# Altium PCB Tiny817_Xplained_Pro.PcbDoc (part 1 of 3) (continued)
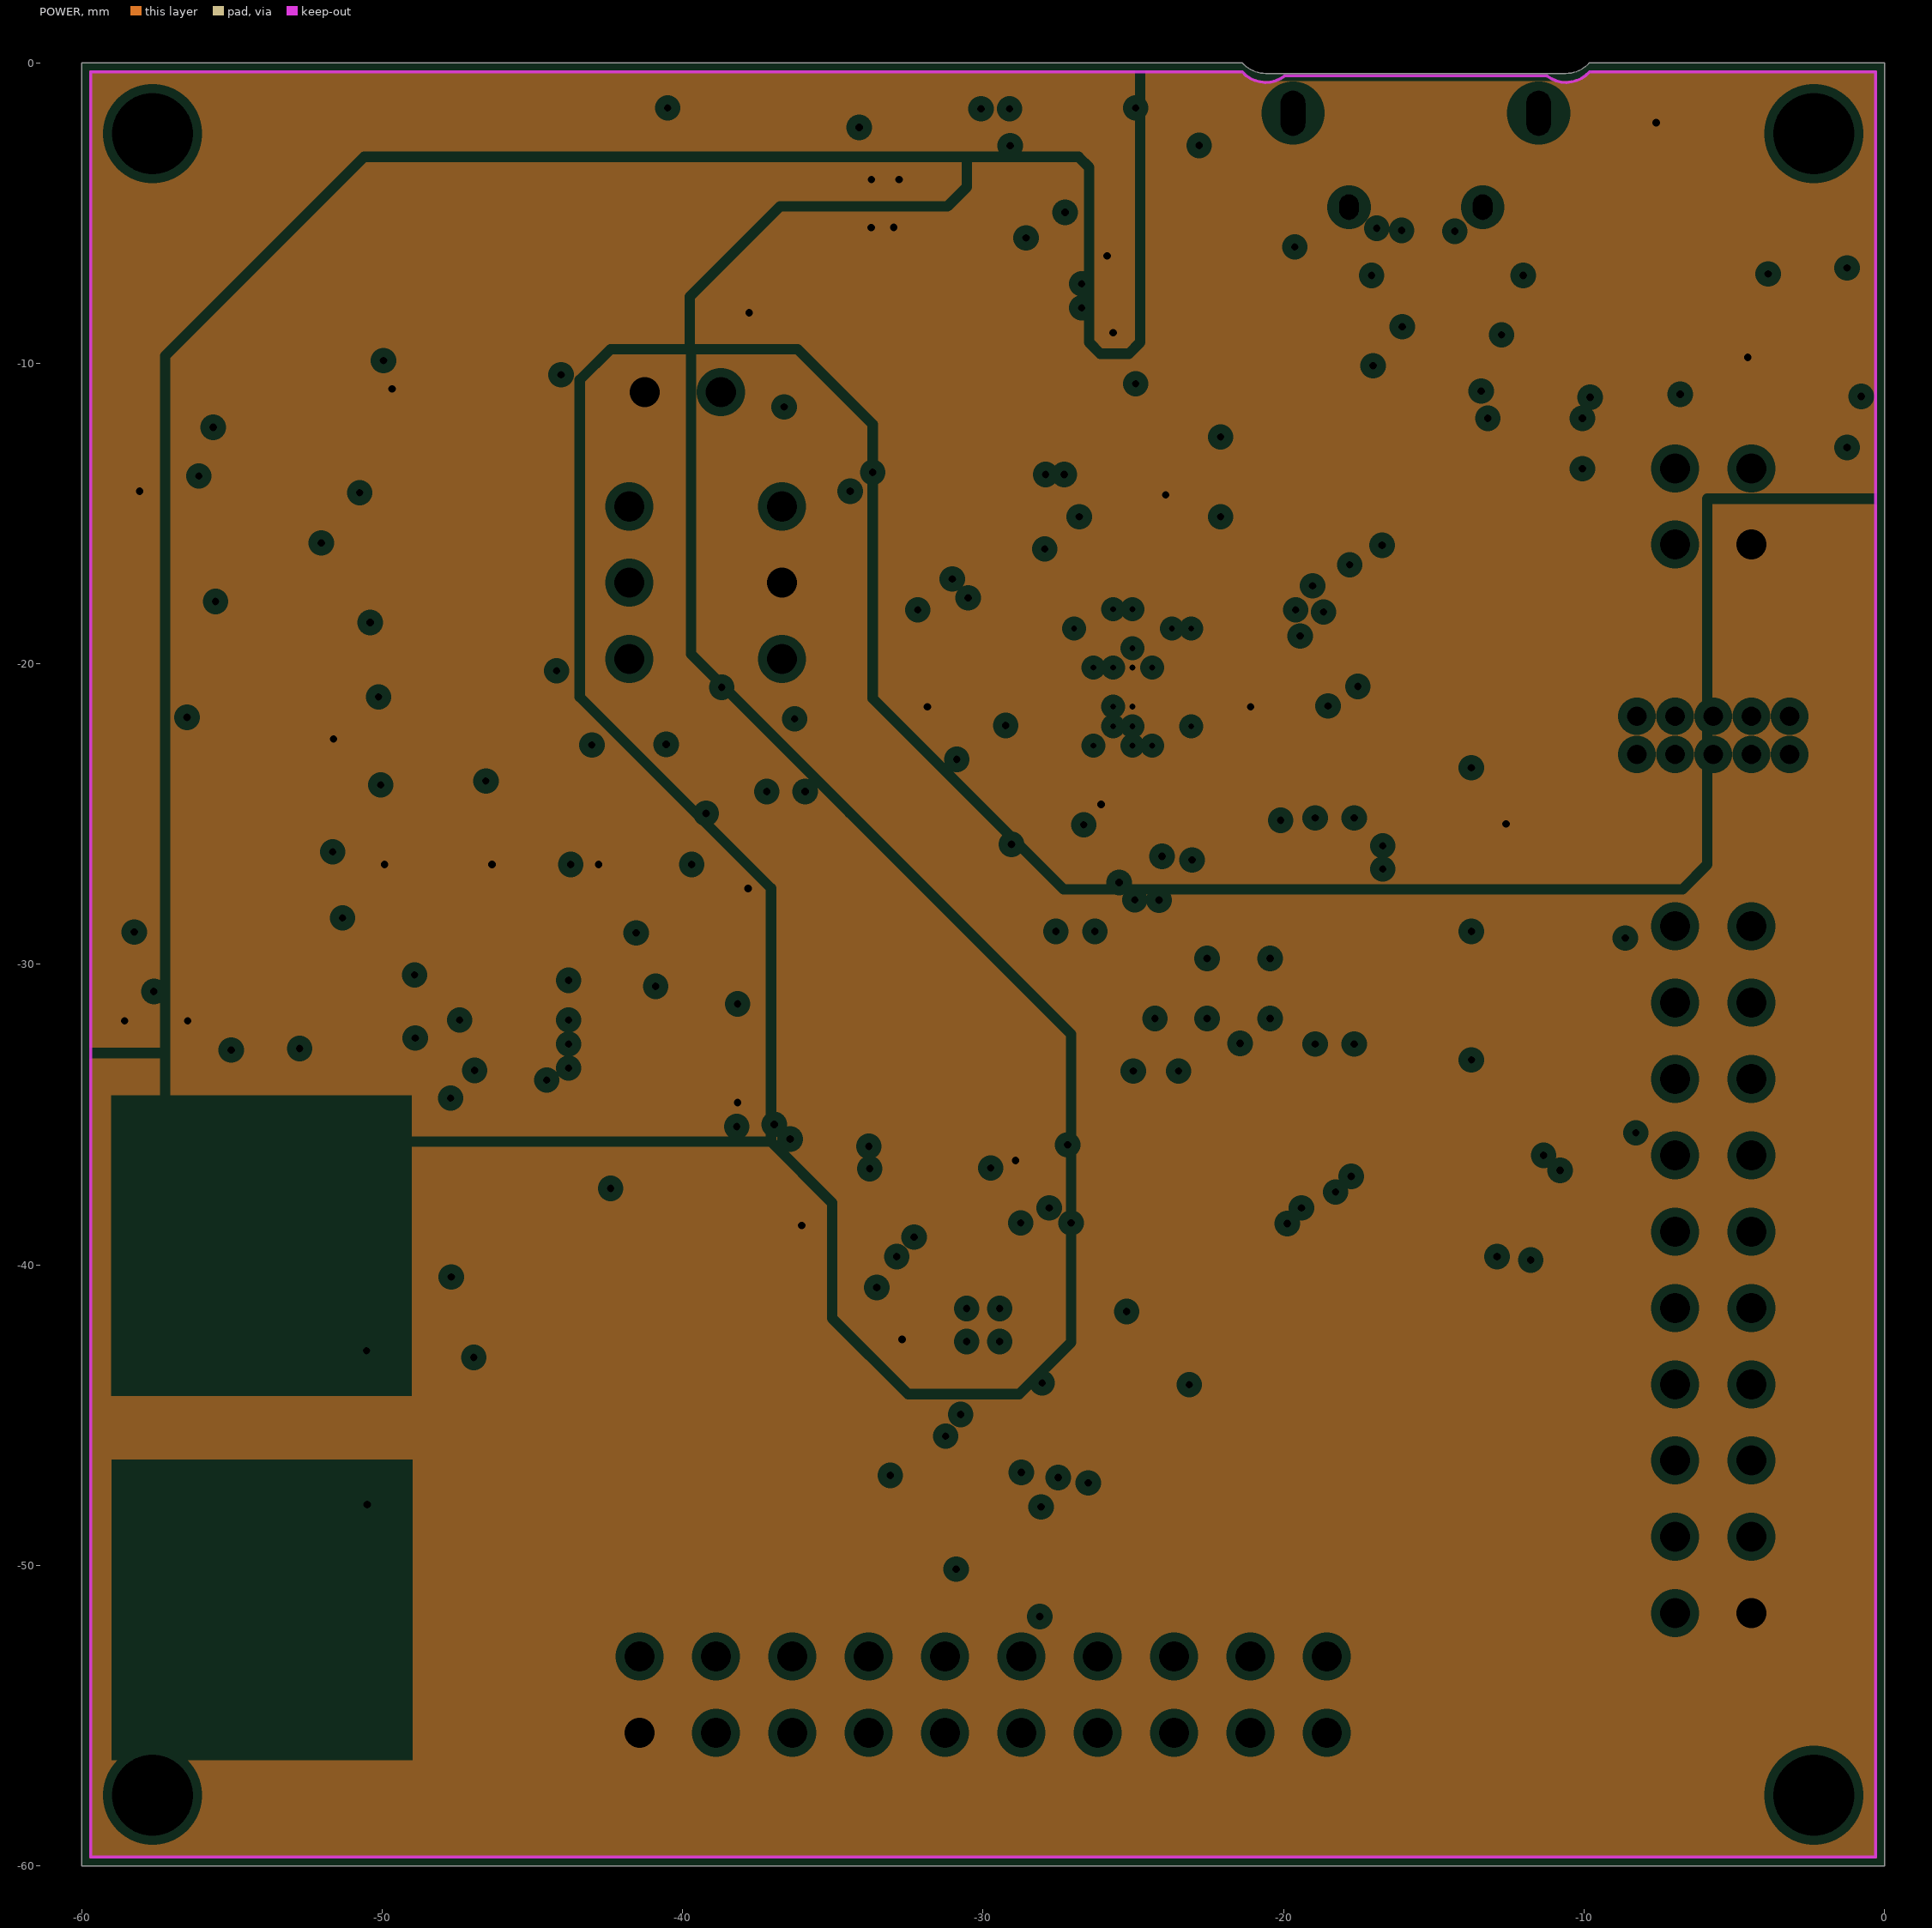
[diagram p3: POWER, clearances drawn from the general rule]
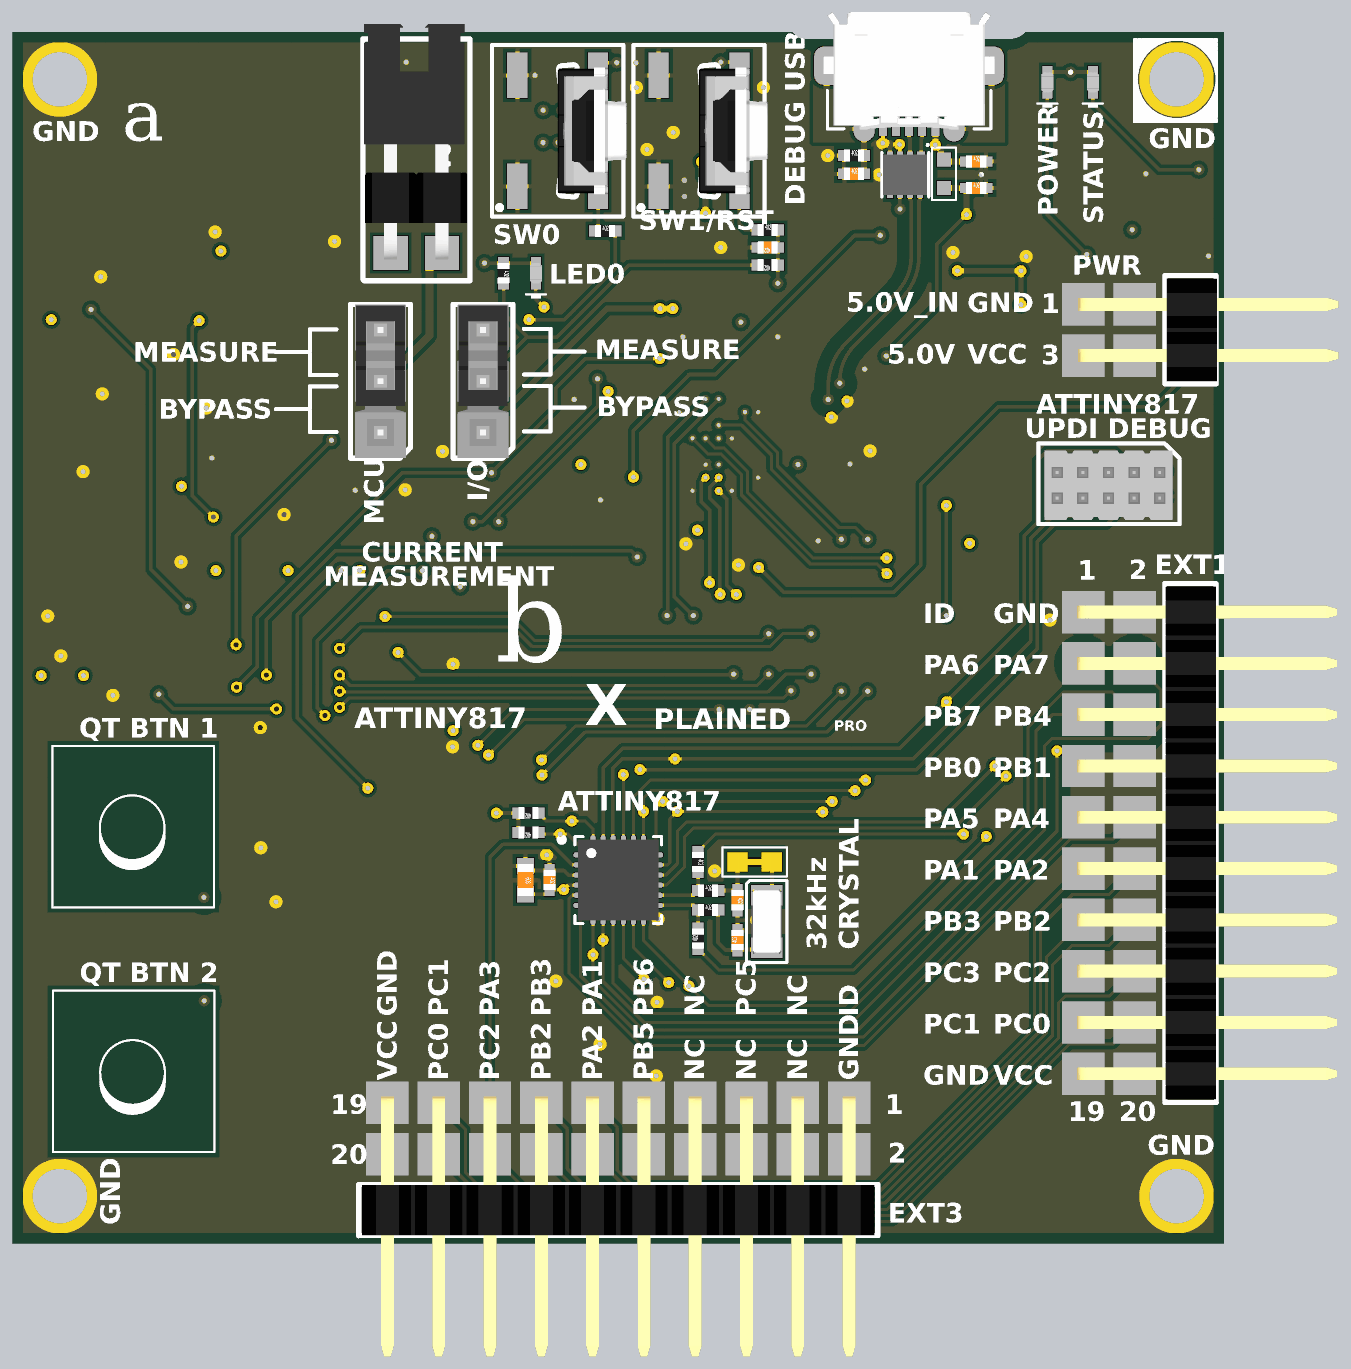
[diagram p6: 3D render of the assembled board from above, using the file's embedded part models]
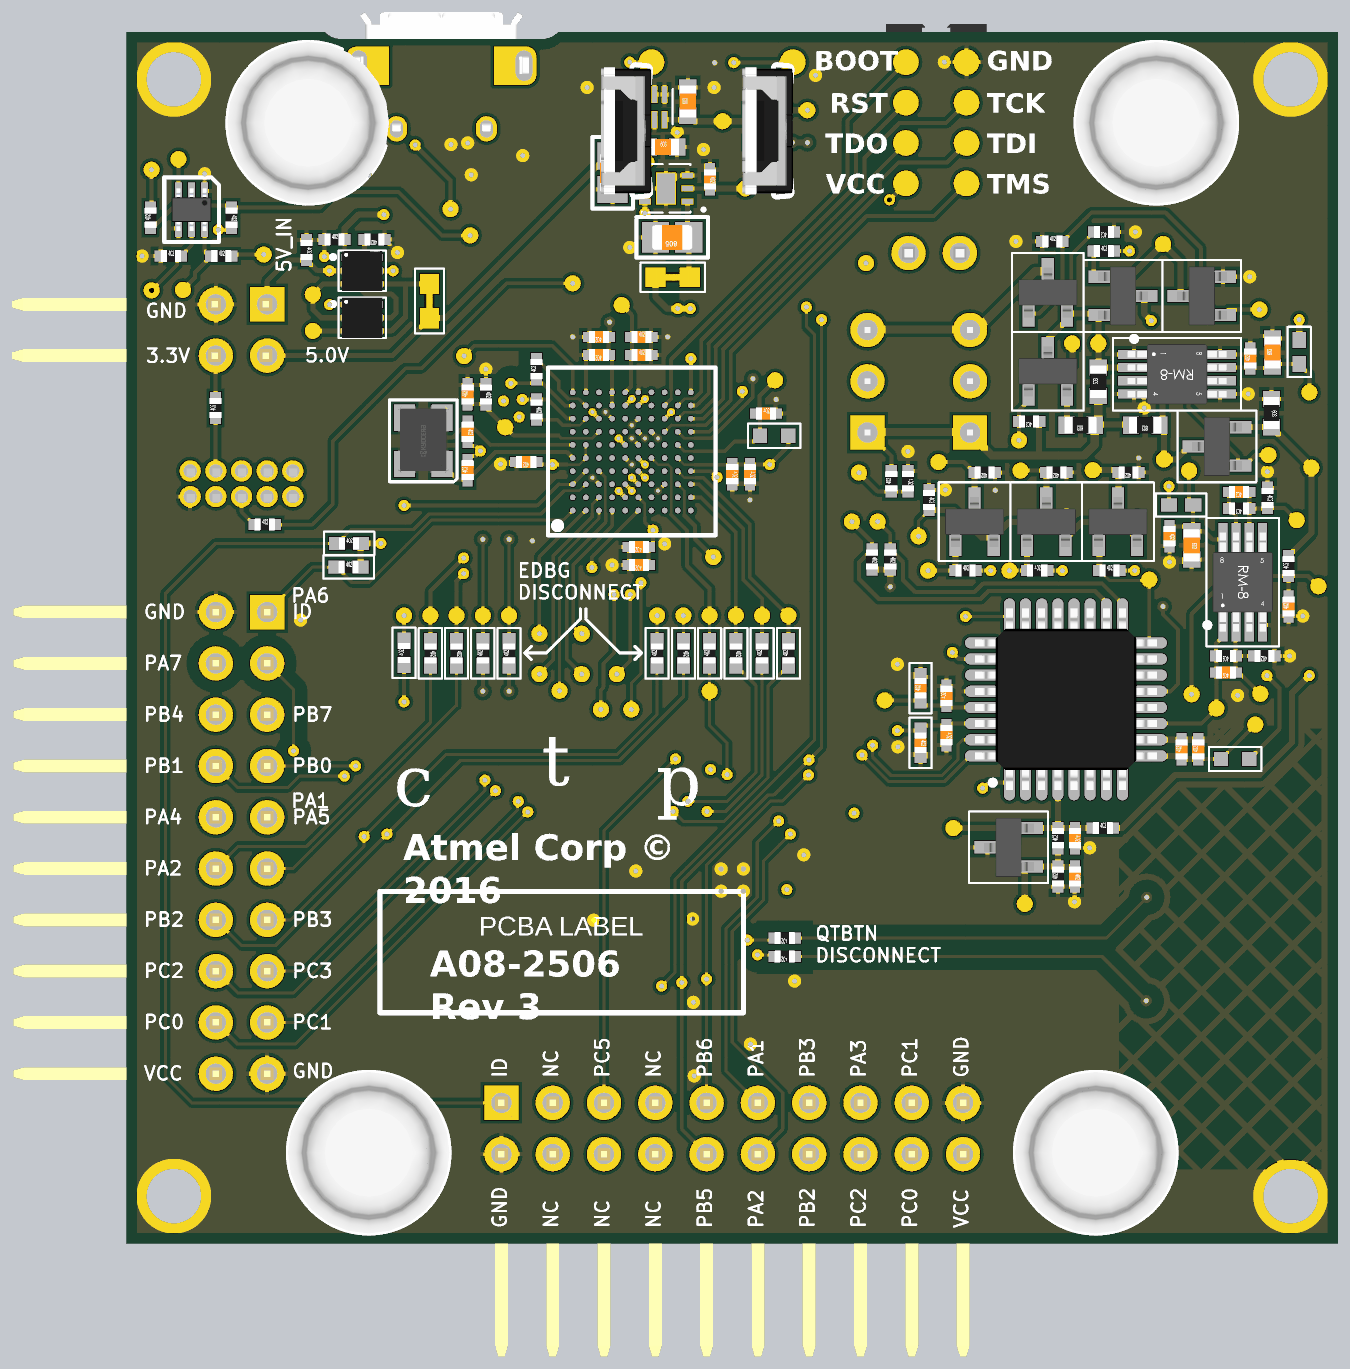
[diagram p7: 3D render of the assembled board from below, using the file's embedded part models]

## Layer stack, top to bottom
Top Solder: solder mask 0.0102, Solder Resist, Dk 3.5
Top Layer LF-signals: signal copper 0.049
Dielectric1: prepreg 0.118, FR-4, Dk 4.8
GND: plane copper 0.035, net (Multiple Nets)
Dielectric2: core 1.2, FR-4, Dk 4.8
POWER: plane copper 0.035, net (Multiple Nets)
Dielectric3: prepreg 0.118, FR-4, Dk 4.8
Bottom Layer LF-signals: signal copper 0.049
Bottom Solder: solder mask 0.0102, Solder Resist, Dk 3.5

## Board outline
-60,-60 -60,0 -21.375,0 -21.375,-0.001 ccw(c-20.6,0.686) -20.6,-0.35 -10.6,-0.35 ccw(c-10.6,0.686) -9.825,-0.001 -9.825,0 0,0 0,-60

## Design rules (kind name [scope] priority, off if disabled: settings)
AcuteAngle [All] p1: minimum=7.00000000000000E+0001 checktracksonly=FALSE
AssemblyTestPointUsage "Schematic Assembly Testpoint Usage_14" [InNet('PB3')] p1: valid=1
AssemblyTestPointUsage "Schematic Assembly Testpoint Usage_12" [InNet('PB2')] p2: valid=1
AssemblyTestPointUsage "Schematic Assembly Testpoint Usage_13" [InNet('PB2_TOSC2')] p3: valid=1
AssemblyTestPointUsage "Schematic Assembly Testpoint Usage_11" [InNet('USB_HS_P')] p4: valid=1
AssemblyTestPointUsage "Schematic Assembly Testpoint Usage_5" [InNet('USB_HS_N')] p5: valid=1
AssemblyTestPointUsage "Schematic Assembly Testpoint Usage_3" [InNet('NetCS300_1')] p6: valid=1
AssemblyTestPointUsage "Schematic Assembly Testpoint Usage_2" [InNet('NetCS301_1')] p7: valid=1
AssemblyTestPointUsage "Schematic Assembly Testpoint Usage_4" [InNet('PB3_TOSC1')] p8: valid=1
AssemblyTestPointUsage "Schematic Assembly Testpoint Usage_1" [InNet('NetJ305_1')] p9: valid=1
AssemblyTestPointUsage "Schematic Assembly Testpoint Usage_10" [InNet('XIN0')] p10: valid=1
AssemblyTestPointUsage "Schematic Assembly Testpoint Usage_9" [InNet('XOUT0')] p11: valid=1
AssemblyTestPointUsage "Schematic Assembly Testpoint Usage_8" [InNet('EDBG_USB_FS_N')] p12: valid=1
AssemblyTestPointUsage "Schematic Assembly Testpoint Usage_7" [InNet('EDBG_USB_FS_P')] p13: valid=1
AssemblyTestPointUsage "Schematic Assembly Testpoint Usage_6" [InNet('EDBG_USB_HS_N')] p14: valid=1
AssemblyTestPointUsage "Schematic Assembly Testpoint Usage" [InNet('EDBG_USB_HS_P')] p15: valid=1
AssemblyTestPointUsage [All] p16:
AssemblyTestpoint AssemblyTestpoint_TP [HasFootprint('AP8-00010') or HasFootprint('AP9-00044') or InNet('NetD400_1') or InNet('NetC407_1') or InNet('INPUT_VOLTAGE_DETECTED') or InNet('NetR105_2') or InNet('CM_PA00_GPIO') or InNet('CM_PA18_CMP0') or  InNet('VCC_FILTER_P3V3') or InNet('NetQ500_2') or InNet('NetQ700_2')] p1: testpointundercomponent=TRUE minsize=0.8 maxsize=10 preferedsize=0.8 minholesize=0 maxholesize=2 preferedholesize=0.25 testpointgrid=0.025 usegrid=FALSE gridtolerance=0 allowsidebottom=TRUE minspacing=1.27
AssemblyTestpoint [All] p2: testpointundercomponent=TRUE minsize=0.8 maxsize=10 preferedsize=0.8 minholesize=0 maxholesize=2 preferedholesize=0.25 testpointgrid=0.025 usegrid=FALSE gridtolerance=0 allowsidebottom=TRUE minspacing=1.27 compbodyclearance=1.27
Clearance Clearance_touch [IsRegion or InPoly vs InNet('NetCS300_1') or InNet('NetCS301_1') or InNet('PA6_AIN6') or InNet('PA7_AIN7')] p1: gap=0.6
Clearance Clearance_Poly_Impedance [IsRegion vs InDifferentialPairClass('All Differential Pairs')] p2: gap=0.6
Clearance Clearance_Poly [InPoly] p3: gap=0.175
Clearance Clearance_EDBG [InComponent('U400')] p4: gap=0.119
Clearance [All] p5: gap=0.15
ComponentClearance ComponentClearance_LCD [InComponent('J206') or IsFree vs IsFree] p1: gap=0 collisioncheckmode=3 verticalgap=0 showdistances=FALSE
ComponentClearance ComponentClearance_Arduino [All vs InComponent('J900') or InComponent('J901') or InComponent('J902') or InComponent('J903') or InComponent('J904')] p2: gap=0 collisioncheckmode=3 verticalgap=0 showdistances=FALSE
ComponentClearance [All] p3: gap=0.1 collisioncheckmode=3 verticalgap=0.1 showdistances=FALSE
DiffPairsRouting DiffPairsRouting_USB_HS [InDifferentialPair('EDBG_USB_HS') or InDifferentialPair('USB_HS')] p1: maxlimit=0.22 minlimit=0.2 mostfreqgap=0.2 toplayer_minwidth=0.18 toplayer_maxwidth=0.18 toplayer_prefwidth=0.18 bottomlayer_minwidth=0.18 bottomlayer_maxwidth=0.18 bottomlayer_prefwidth=0.18 maxuncoupledlength=20
DiffPairsRouting DiffPairsRouting_USB_FS [InDifferentialPair('EDBG_USB_FS')] p2: maxlimit=1.5 minlimit=0.2 mostfreqgap=0.2 toplayer_minwidth=0.12 toplayer_maxwidth=0.18 toplayer_prefwidth=0.18 bottomlayer_minwidth=0.12 bottomlayer_maxwidth=0.18 bottomlayer_prefwidth=0.18 maxuncoupledlength=20
FabricationTestPointUsage TestPointUsage [All] p1: valid=0 allowmultiple=FALSE
FabricationTestpoint Testpoint [All] p1: side=2 testpointundercomponent=TRUE minsize=0.55 maxsize=10 preferedsize=0.8 minholesize=0 maxholesize=2 preferedholesize=0.25 testpointgrid=0 allowsidebottom=TRUE usegrid=FALSE gridtolerance=0 minspacing=1.27 compbodyclearance=0.127
HoleSize [All] p1: absolutevalues=TRUE maxlimit=10 minlimit=0.15 maxpercent=80.000 minpercent=20.000
HoleToHoleClearance [All] p1: gap=0.3 allowstackedmicrovias=TRUE
MinimumAnnularRing [All] p1: minimumring=0.1
MinimumSolderMaskSliver [All] p1: minsoldermaskwidth=0.075
NetAntennae [Not Testpoint] p1: netantennaetolerance=4
PlaneClearance [All] p1: clearance=0.3
PlaneConnect PlaneConnect_50mil [HasFootprint('AP8-00257')] p1: planeconnectstyle=Relief reliefexpansion=0.2 reliefentries=4 reliefconductorwidth=0.2 reliefairgap=0.2
PlaneConnect PlaneConnect_VIA [IsVia OR HasPad('Free-666')] p2: planeconnectstyle=Direct reliefexpansion=0.508 reliefentries=4 reliefconductorwidth=0.254 reliefairgap=0.254
PlaneConnect [All] p3: planeconnectstyle=Relief reliefexpansion=0.508 reliefentries=4 reliefconductorwidth=0.254 reliefairgap=0.254
PolygonConnect PolygonConnect_VIA [IsVia OR HasPad('Free-666')] p1: connectstyle=Direct reliefconductorwidth=0.254 reliefentries=4 polygonreliefangle="90 Angle" airgapwidth=0.254
PolygonConnect [All] p2: connectstyle=Relief reliefconductorwidth=0.2 reliefentries=4 polygonreliefangle="90 Angle" airgapwidth=0.2
RoomDefinition EDBG_Room [not IsComponent] p1: confinementstyle=ConfineIn formatcopy=TRUE lockcomponents=TRUE outline -20.875,-16.425 -30,-16.425 -30,-24.925 -20.875,-24.925
RoutingVias RoutingVias_EDBG [TouchesRoom('EDBG_Room')] p1: holewidth=0.25 width=0.55 viastyle="Through Hole" minholewidth=0.2 minwidth=0.4 maxholewidth=0.5 maxwidth=1
RoutingVias [All] p2: holewidth=0.25 width=0.55 viastyle="Through Hole" minholewidth=0.25 minwidth=0.55 maxholewidth=0.5 maxwidth=1
SMDNeckDown [All] p1: percent=90.000
SilkToSilkClearance SilkToSilkClearance_Text [IsText vs IsText] p1: silktosilkclearance=0
SilkToSilkClearance [All] p2: silktosilkclearance=0.1
SilkToSolderMaskClearance SilkscreenOverComponentPads [IsPad] p1: minsilkscreentomaskgap=0.1 clearancetoexposedcopper=TRUE
SolderMaskExpansion SolderMaskTenting [IsVia AND NOT (IsFabTestpoint OR IsAssyTestpoint)] p1: expansion=-1
SolderMaskExpansion [All] p2: expansion=0.05
ViasUnderSMD [All] p1: allowed=FALSE
Width EDBG_Width [TouchesRoom('EDBG_Room')] p1: maxlimit=1 minlimit=0.125 preferedwidth=0.15
Width [All] p2: maxlimit=1 minlimit=0.15 preferedwidth=0.15
16 further rules are at their usual default settings.

## Classes and differential pairs
component class Tiny817_Xplained_Pro_TopLevel: E1 E2 E3 E4 FIXTURE1 FW1 LABEL1 PCB1 PCBADOC1 TEST1 TESTDOC1
component class Power_supply: C100 C101 C104 C105 C106 C107 J100 J101 J102 J103 J104 JS100 JS101 JS102 Q100 Q101 R100 R101 R102 R107 R108 R109 R110 U100 U103
component class EDBG: C400 C401 C402 C403 C404 C405 C406 C407 C408 C409 C410 C411 C412 C413 C414 C415 D400 D401 D402 J400 L401 L402 Q400 R401 R404 R406 R407 R408 R409 R410 R411 R412 R413 R414 R415 R416 R417 R420 R421 R422 R423 R424 R425 R426 TP400 TP401 TP402 TP403 TP404 TP405 TP406 TP407 U400 XC400
component class Connectors: J200 J202 J203 J205
component class Target_MCU: C301 C302 C303 C304 C305 CS300 CS301 D301 J305 R300 R301 R302 R303 R304 R305 R306 R307 R308 R309 R310 R311 R312 R313 SW300 SW301 TP300 TP301 U300 XC300
component class Calibration: Q800 Q801 Q802 R800 R801 R802 R803 R804 R805 R806
component class Control: C600 C601 C602 C603 C604 C605 C606 C607 L600 R602 R603 R604 R605 R606 U600 U601
component class Frontend: C700 C701 C702 C703 C704 C705 C706 L700 L701 Q700 Q701 R700 R701 R702 R703 R704 R705 R706 R707 R708 R709 U700 U701
component class Current_measurement: Q500 Q501 Q502 R500 R501 R502
differential pair USB_HS: +USB_HS_P -USB_HS_N
differential pair EDBG_USB_HS: +EDBG_USB_HS_P -EDBG_USB_HS_N
differential pair EDBG_USB_FS: +EDBG_USB_FS_P -EDBG_USB_FS_N

## Components (designator, comment, footprint, x,y, rotation, side; value= is the part's Value field where it differs from the comment)
C100 "" AP1-00117 -27.8,-3.45 r90 bottom
C101 "" AP1-00117 -24.5,-3.45 r90 bottom
C104 "" AP1-00117 -26.575,-5.7 r180 bottom
C105 "" AP1-00003 -24.075,-6.975 r270 bottom
C106 "" AP1-00053 -28.9,-7.3 r270 bottom
C107 "" AP1-00003 -27.025,-10.175 r0 bottom
C301 "" AP1-00053 -24.095,-44.972 r90 top
C302 "" AP1-00053 -24.095,-43 r270 top
C303 "" AP1-00053 -22.6,-10.675 r180 top locked
C304 "" AP1-00053 -33.4,-42 r270 top
C305 "" AP1-00117 -34.6,-42 r270 top
C400 "" AP1-00053 -16.9,-21.7 r90 bottom locked
C401 "" AP1-00053 -16.9,-19.8 r270 bottom locked
C402 "" AP1-00053 -16.9,-17.95 r90 bottom locked
C403 "" AP1-00053 -18.325,-7.025 r0 top
C404 "" AP1-00053 -31.675,-18.9 r180 bottom locked
C405 "Farnell no: 1288200" AP1-00053 -25.5,-15.1 r180 bottom locked
C406 "" AP1-00053 -25.5,-16 r180 bottom locked
C407 "" AP1-00053 -12.275,-6.425 r0 top
C408 "" AP1-00053 -12.275,-7.725 r0 top
C409 "Farnell no: 1288200" AP1-00053 -23.4,-15.1 r0 bottom locked
C410 "" AP1-00053 -23.4,-16 r0 bottom locked
C411 "" AP1-00053 -19.8,-21.3 r0 bottom locked
C412 "" AP1-00053 -25.375,-25.5 r0 bottom locked
C413 "" AP1-00053 -30,-21.9 r270 bottom locked
C414 "Farnell no: 1288200" AP1-00053 -30.875,-21.9 r270 bottom locked
C415 "Farnell no: 1288200" AP1-00053 -25.375,-26.4 r0 bottom locked
C600 "" AP1-00053 -40.6,-34.825 r270 bottom
C601 "" AP1-00001 -39.325,-35.2 r270 bottom
C602 "" AP1-00053 -40.6,-32.875 r90 bottom
C603 "" AP1-00001 -39.325,-32.5 r90 bottom
C604 "" AP1-00053 -52.25,-35.525 r90 bottom
C605 "" AP1-00053 -53.075,-35.525 r90 bottom
C606 "" AP1-00053 -46.975,-41.825 r270 bottom
C607 "" AP1-00053 -46.975,-39.925 r270 bottom
C700 "" AP1-00053 -51.65,-24.975 r270 bottom
C701 "" AP1-00117 -52.75,-25.425 r270 bottom
C702 "" AP1-00053 -54.45,-31.725 r0 bottom
C703 "" AP1-00117 -56.75,-15.875 r90 bottom
C704 "" AP1-00053 -55.65,-16.175 r90 bottom
C705 "" AP1-00053 -57.55,-28.45 r90 bottom
C706 "" AP1-00053 -55.1,-22.775 r0 bottom
CS300 "QTouch Button" ?#1 -53.502,-51.095 r270 top locked
CS301 "QTouch Button" ?#2 -53.522,-38.976 r270 top locked
D301 "" AP4-00160 -34.075,-11.95 r90 top locked
D400 "" AP4-00160 -8.75,-2.5 r90 top locked
D401 "" AP4-00160 -6.5,-2.5 r90 top locked
D402 "" AP4-00159 -15.8,-7.075 r180 top locked
E1 "" AP8-00192 -9,-4.5 r180 bottom locked
E2 "" AP8-00192 -51,-4.5 r180 bottom locked
E3 "" AP8-00192 -12,-55.5 r180 bottom locked
E4 "" AP8-00192 -48,-55.5 r180 bottom locked
J100 "" AP9-00044 -27.05,-12.15 r180 bottom locked net-tie
J101 "" AP8-00745 -36.696,-17.3 r90 top locked
J102 "" AP8-00745 -41.776,-17.3 r90 top locked
J103 "" AP8-00367 -40,-10.95 r0 top locked
J104 "" AP9-00044 -15.007,-13.326 r90 bottom locked net-tie
J200 "" AP8-00622 -5.7,-40.16 r270 top locked
J202 "" AP8-00628 -5.7,-14.76 r270 top locked
J203 "" AP8-00622 -30,-54.3 r180 top locked
J205 "" AP8-00257 -5.7,-22.375 r180 top locked
J305 "" AP9-00044 -23.245,-41.1 r180 top net-tie
J400 "2,000 pieces per reel" AP8-00852 -15.6,-1.675 r180 top locked
JS100 "" AP8-00525 -36.696,-16.03 r90 top
JS101 "" AP8-00525 -40.1,-5.575 r0 top locked
JS102 "" AP8-00525 -41.776,-16.03 r90 top
L401 "" AP3-00005 -13.875,-7.025 r270 top
L402 "" AP3-00005 -32.075,-20 r0 bottom locked
L600 "" AP3-00005 -54.9,-36 r0 bottom
L700 "" AP3-00028 -52.225,-23.425 r180 bottom
L701 "" AP3-00028 -58.075,-15.85 r270 bottom
LABEL1 "" AP8-00317 -12.55,-48.568 r180 bottom
Q100 "Farnell order code: 2191806" AP5-00047 -11.681,-11.829 r270 bottom
Q101 "Farnell order code: 2191806" AP5-00047 -11.681,-14.154 r270 bottom
Q400 "Same as 2N7002 but with two MOSFETs in one package" AP5-00001 -3.225,-8.8 r270 bottom locked
Q500 "" AP5-00002 -45.625,-12.9 r90 bottom
Q501 "" AP5-00002 -53.25,-13.075 r0 bottom
Q502 "" AP5-00002 -49.35,-13.075 r180 bottom
Q700 "" AP5-00002 -45.625,-16.8 r90 bottom
Q701 "" AP5-00002 -54,-20.525 r0 bottom
Q800 "" AP5-00002 -42,-24.25 r90 bottom
Q801 "" AP5-00002 -45.55,-24.25 r90 bottom
Q802 "" AP5-00002 -49.1,-24.25 r90 bottom
R100 "" AP2-00011 -10.306,-10.279 r180 bottom
R101 "" AP2-00011 -8.925,-10.8 r270 bottom
R102 "" AP2-00011 -12.281,-10.279 r0 bottom
R107 "" AP2-00011 -31.4,-3.879 r0 bottom
R108 "" AP2-00011 -31.4,-5.475 r0 bottom
R109 "" AP2-00011 -37.875,-22.25 r90 bottom
R110 "" AP2-00011 -38.7,-22.25 r270 bottom
R300 "" AP2-00011 -30.65,-9.85 r0 top locked
R301 "" AP2-00011 -4.419,-18.625 r90 bottom
R302 "" AP2-00011 -32.6,-45.775 r0 bottom
R303 "" AP2-00011 -35.675,-11.95 r270 top
R304 "" AP2-00011 -22.6,-11.55 r180 top
R305 "" AP2-00011 -32.6,-44.875 r0 bottom
R306 "" AP2-00011 -34.442,-38.686 r180 top
R307 "" AP2-00011 -26.05,-41.1 r270 top
R308 "" AP2-00011 -26.05,-44.9 r90 top
R309 "" AP2-00011 -6.85,-24.4 r180 bottom